# KiCad board iMX6_BareBones.kicad_pcb (continued)
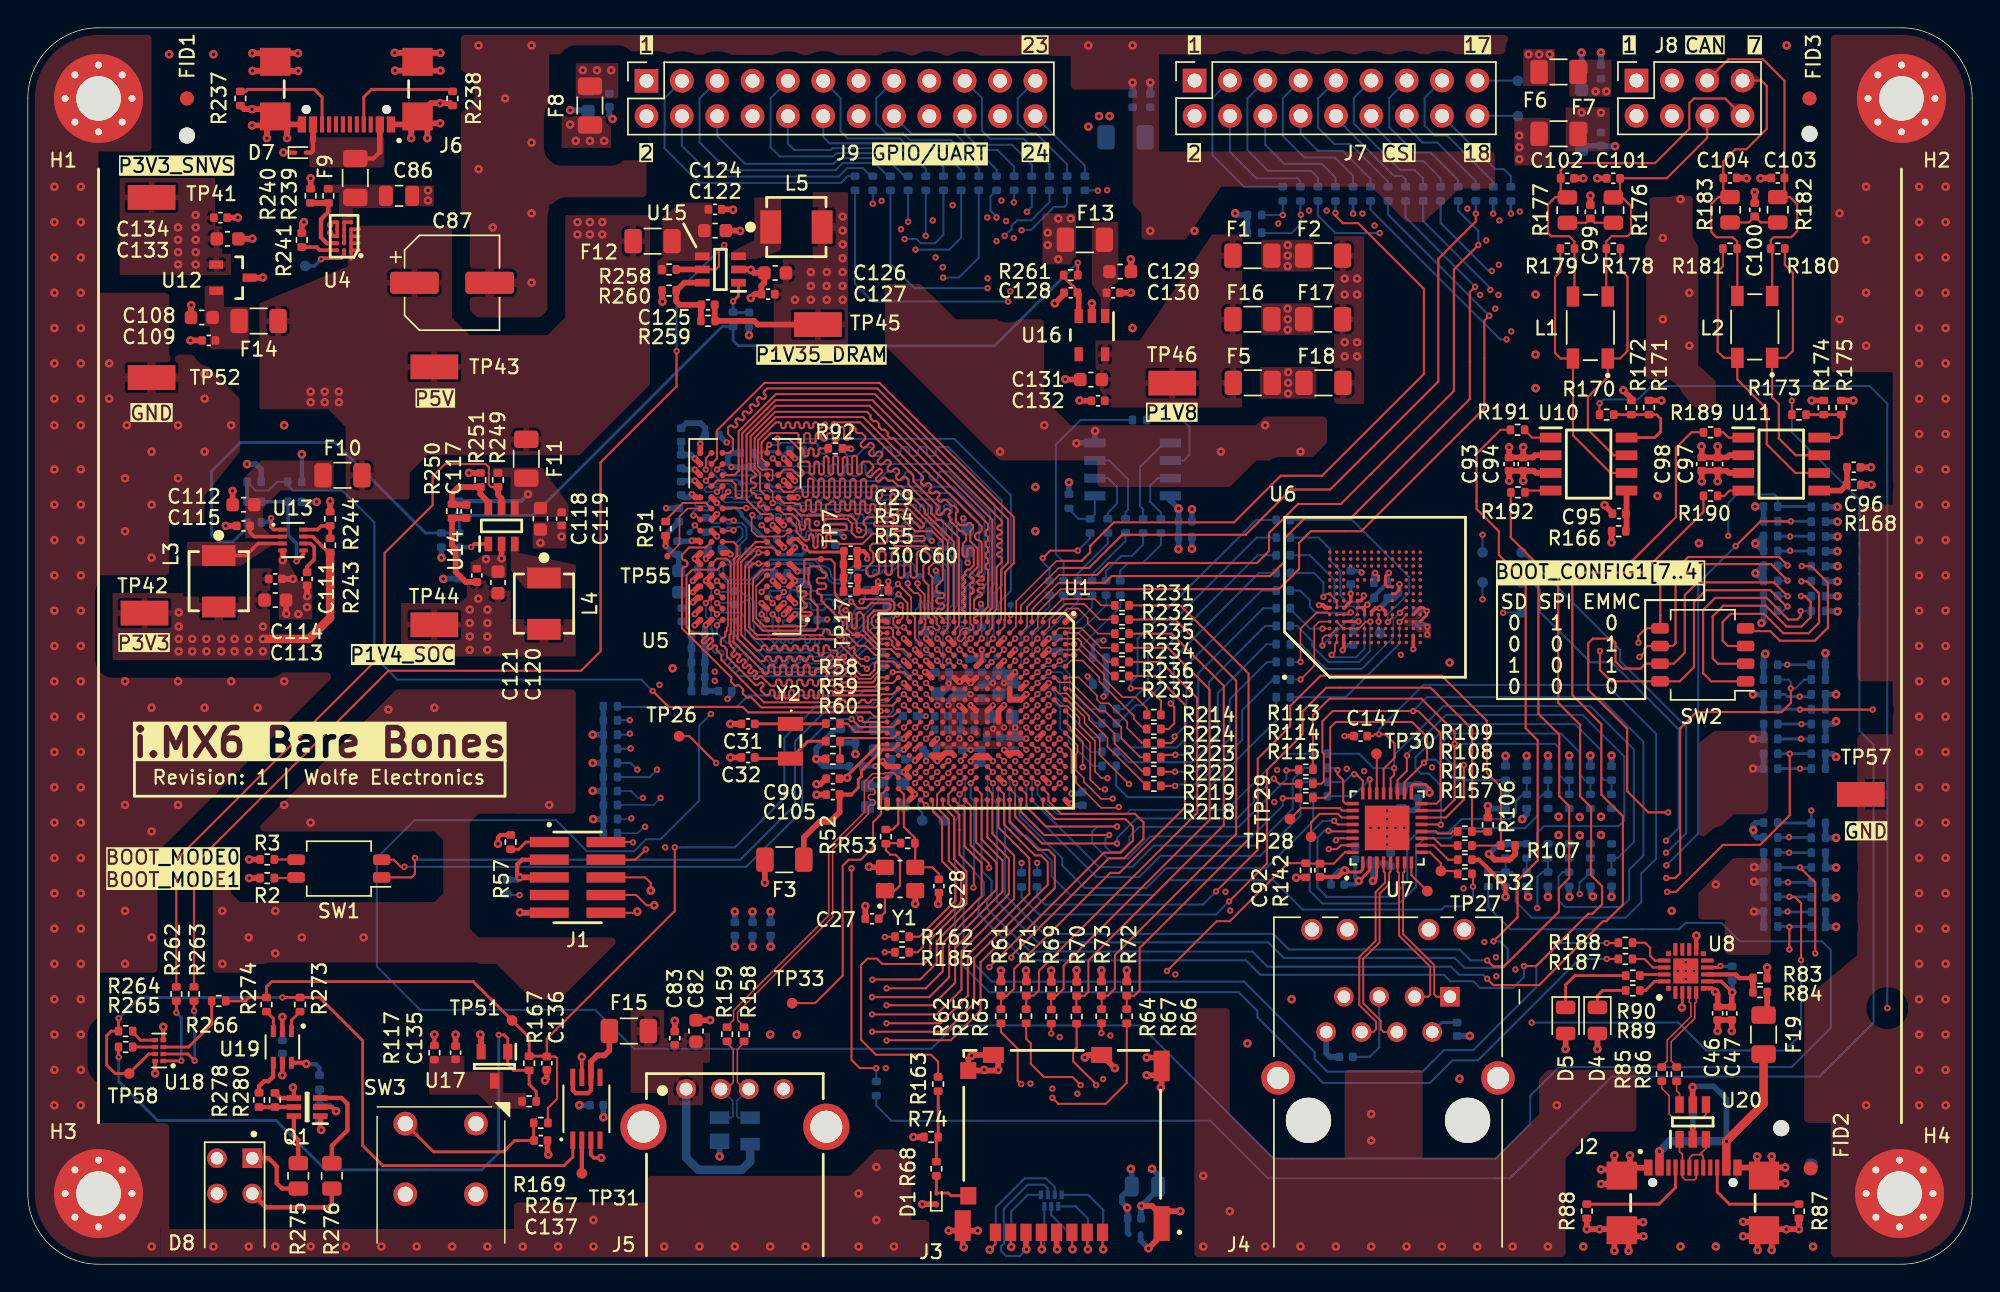
[diagram p0: board, top side]
## Nets (continued)
/Signal_Map/Headers/IMX6_UART2_TX_DATA_R: J9.4 R196.1
/Signal_Map/Headers/IMX6_UART3_RX_DATA_R: J9.9 R197.1
/Signal_Map/Headers/IMX6_UART3_TX_DATA_R: J9.11 R198.1
/Signal_Map/Headers/IMX6_UART4_RX_DATA_R: J9.10 R199.1
/Signal_Map/Headers/IMX6_UART4_TX_DATA_R: J9.12 R200.1
/Signal_Map/Headers/IMX6_UART5_RX_DATA_R: J9.15 R201.1
/Signal_Map/Headers/IMX6_UART5_TX_DATA_R: J9.16 R202.1
/Signal_Map/Headers/~{IMX6_UART1_CTS_R}: J9.3 R193.1
/Signal_Map/Headers/~{IMX6_UART1_RTS_R}: J9.5 R194.1
/Signal_Map/iMX6_Control/IMX6_XTALO_R: C27.1 R52.1 R53.1 Y1.1
/Signal_Map/iMX6_Control/JTAG_MOD: R56.2 U1.P15
/Signal_Map/iMX6_Control/ONOFF: R282.2 U1.R8
/Signal_Map/iMX6_Control/RTC_XTALI: R59.2 R60.2 U1.T11
/Signal_Map/iMX6_Control/RTC_XTALI_R: C32.1 R59.1 Y2.2
/Signal_Map/iMX6_Control/RTC_XTALO: R58.2 U1.U11
/Signal_Map/iMX6_Control/RTC_XTALO_R: C31.1 R58.1 Y2.1
/Signal_Map/iMX6_Control/SNVS_TAMPER0: R94.2 U1.R10
/Signal_Map/iMX6_Control/SNVS_TAMPER1: R95.2 U1.R9
/Signal_Map/iMX6_Control/SNVS_TAMPER2: R96.2 U1.P11
/Signal_Map/iMX6_Control/SNVS_TAMPER3: R97.2 U1.P10
/Signal_Map/iMX6_Control/SNVS_TAMPER4: R98.2 U1.P9
/Signal_Map/iMX6_Control/SNVS_TAMPER5: R99.2 U1.N8
/Signal_Map/iMX6_Control/SNVS_TAMPER6: R100.2 U1.N11
/Signal_Map/iMX6_Control/SNVS_TAMPER7: R101.2 U1.N10
/Signal_Map/iMX6_Control/SNVS_TAMPER8: R102.2 U1.N9
/Signal_Map/iMX6_Control/SNVS_TAMPER9: R103.2 U1.R6
/Signal_Map/iMX6_Control/TEST_MODE: R104.2 U1.N7
/Signal_Map/iMX6_Control/XTALI: C28.1 R53.2 U1.T16 Y1.3
/Signal_Map/iMX6_Control/XTALO: R52.2 U1.T17
/Signal_Map/iMX6_Control/~{PB_POR}: C137.2 R267.1 SW3.3
/Signal_Map/iMX6_CSI_LCD/CSI_DATA00: R149.1 U1.E4
/Signal_Map/iMX6_CSI_LCD/CSI_DATA01: R150.1 U1.E3
/Signal_Map/iMX6_CSI_LCD/CSI_DATA02: R151.1 U1.E2
/Signal_Map/iMX6_CSI_LCD/CSI_DATA03: R152.1 U1.E1
/Signal_Map/iMX6_CSI_LCD/CSI_DATA04: R153.1 U1.D4
/Signal_Map/iMX6_CSI_LCD/CSI_DATA05: R154.1 U1.D3
/Signal_Map/iMX6_CSI_LCD/CSI_DATA06: R155.1 U1.D2
/Signal_Map/iMX6_CSI_LCD/CSI_DATA07: R156.1 U1.D1
/Signal_Map/iMX6_CSI_LCD/CSI_HSYNC: R148.1 U1.F3
/Signal_Map/iMX6_CSI_LCD/CSI_MCLK: R145.1 U1.F5
/Signal_Map/iMX6_CSI_LCD/CSI_PIXCLK: R146.1 U1.E5
/Signal_Map/iMX6_CSI_LCD/CSI_VSYNC: R147.1 U1.F2
/Signal_Map/iMX6_DDR3L/DRAM_CKE0: R281.1 U1.M3 U5.K9
/Signal_Map/iMX6_DDR3L/DRAM_CKE1: R256.1 U1.J3
/Signal_Map/iMX6_DDR3L/DRAM_ZQPAD: R1.1 U1.N4
/Signal_Map/iMX6_Ethernet_USB/USB1_R_DN: R159.1 U1.T15
/Signal_Map/iMX6_Ethernet_USB/USB1_R_DP: R158.1 U1.U15
/Signal_Map/iMX6_GPIO_UART/IMX6_FLEXCAN1_RX: R192.2 U1.G14
/Signal_Map/iMX6_GPIO_UART/IMX6_FLEXCAN1_TX: R191.2 U1.H15
/Signal_Map/iMX6_GPIO_UART/IMX6_FLEXCAN2_RX: R190.2 U1.H14
/Signal_Map/iMX6_GPIO_UART/IMX6_FLEXCAN2_TX: R189.2 U1.J15
/Signal_Map/iMX6_GPIO_UART/IMX6_GPIO_0: R143.1 U1.K13
/Signal_Map/iMX6_GPIO_UART/IMX6_GPIO_1: R144.1 U1.L15
/Signal_Map/iMX6_GPIO_UART/IMX6_GPIO_2: R160.1 U1.L14
/Signal_Map/iMX6_GPIO_UART/IMX6_GPIO_3: R161.1 U1.L17
/Signal_Map/iMX6_GPIO_UART/IMX6_GPIO_4: R162.1 U1.M16
/Signal_Map/iMX6_GPIO_UART/IMX6_GPIO_5: R163.1 U1.M17
/Signal_Map/iMX6_GPIO_UART/IMX6_GPIO_6: R164.1 U1.K17
/Signal_Map/iMX6_GPIO_UART/IMX6_GPIO_7: R184.1 U1.L16
/Signal_Map/iMX6_GPIO_UART/IMX6_GPIO_8: R185.1 U1.N17
/Signal_Map/iMX6_GPIO_UART/IMX6_GPIO_9: R186.1 U1.M15
/Signal_Map/iMX6_GPIO_UART/IMX6_UART1_RX_DATA: R187.2 U1.K16
/Signal_Map/iMX6_GPIO_UART/IMX6_UART1_TX_DATA: R188.2 U1.K14
/Signal_Map/iMX6_GPIO_UART/IMX6_UART2_RX_DATA: R195.2 U1.J16
/Signal_Map/iMX6_GPIO_UART/IMX6_UART2_TX_DATA: R196.2 U1.J17
/Signal_Map/iMX6_GPIO_UART/IMX6_UART3_RX_DATA: R197.2 U1.H16
/Signal_Map/iMX6_GPIO_UART/IMX6_UART3_TX_DATA: R198.2 U1.H17
/Signal_Map/iMX6_GPIO_UART/IMX6_UART4_RX_DATA: R199.2 U1.G16
/Signal_Map/iMX6_GPIO_UART/IMX6_UART4_TX_DATA: R200.2 U1.G17
/Signal_Map/iMX6_GPIO_UART/IMX6_UART5_RX_DATA: R201.2 U1.G13
/Signal_Map/iMX6_GPIO_UART/IMX6_UART5_TX_DATA: R202.2 U1.F17
/Signal_Map/iMX6_GPIO_UART/~{IMX6_UART1_CTS}: R193.2 U1.K15
/Signal_Map/iMX6_GPIO_UART/~{IMX6_UART1_RTS}: R194.2 U1.J14
/Signal_Map/iMX6_GPIO_UART/~{SD_PRESN}: R68.2 R74.1 R163.2
/Signal_Map/iMX6_Power/NVCC_PLL: C20.1 C24.1 U1.P13
/Signal_Map/iMX6_Storage/IMX6_NAND_ALE: R214.1 U1.B4
/Signal_Map/iMX6_Storage/IMX6_NAND_CLE: R227.1 U1.A4
/Signal_Map/iMX6_Storage/IMX6_NAND_DATA00: R217.1 U1.D7
/Signal_Map/iMX6_Storage/IMX6_NAND_DATA01: R218.1 U1.B7
/Signal_Map/iMX6_Storage/IMX6_NAND_DATA02: R219.1 U1.A7
/Signal_Map/iMX6_Storage/IMX6_NAND_DATA03: R220.1 U1.D6
/Signal_Map/iMX6_Storage/IMX6_NAND_DATA04: R221.1 U1.C6
/Signal_Map/iMX6_Storage/IMX6_NAND_DATA05: R222.1 U1.B6
/Signal_Map/iMX6_Storage/IMX6_NAND_DATA06: R223.1 U1.A6
/Signal_Map/iMX6_Storage/IMX6_NAND_DATA07: R224.1 U1.A5
/Signal_Map/iMX6_Storage/IMX6_NAND_DQS: R230.1 U1.E6
/Signal_Map/iMX6_Storage/QSPI_IO0_R: R81.1 R229.2
/Signal_Map/iMX6_Storage/QSPI_IO1_R: R77.2 R225.2
/Signal_Map/iMX6_Storage/QSPI_IO2_R: R78.2 R226.2
/Signal_Map/iMX6_Storage/QSPI_IO3_R: R79.1 R227.2
/Signal_Map/iMX6_Storage/QSPI_SCK_R: R80.1 R228.2
/Signal_Map/iMX6_Storage/SD1_CLK: R231.1 U1.C1
/Signal_Map/iMX6_Storage/SD1_CLK_R: R66.2 R72.1 R231.2
/Signal_Map/iMX6_Storage/SD1_CMD: R232.1 U1.C2
/Signal_Map/iMX6_Storage/SD1_CMD_R: R67.2 R73.1 R232.2
/Signal_Map/iMX6_Storage/SD1_DATA0: R233.1 U1.B3
/Signal_Map/iMX6_Storage/SD1_DATA0_R: R61.1 R62.2 R233.2
/Signal_Map/iMX6_Storage/SD1_DATA1: R234.1 U1.B2
/Signal_Map/iMX6_Storage/SD1_DATA1_R: R63.2 R69.1 R234.2
/Signal_Map/iMX6_Storage/SD1_DATA2: R235.1 U1.B1
/Signal_Map/iMX6_Storage/SD1_DATA2_R: R64.2 R70.1 R235.2
/Signal_Map/iMX6_Storage/SD1_DATA3: R236.1 U1.A2
/Signal_Map/iMX6_Storage/SD1_DATA3_R: R65.2 R71.1 R236.2
/Signal_Map/iMX6_Storage/~{IMX6_NAND_CE0}: R225.1 U1.C5
/Signal_Map/iMX6_Storage/~{IMX6_NAND_CE1}: R226.1 U1.B5
/Signal_Map/iMX6_Storage/~{IMX6_NAND_READY}: R229.1 U1.A3
/Signal_Map/iMX6_Storage/~{IMX6_NAND_RE}: R216.1 U1.D8
/Signal_Map/iMX6_Storage/~{IMX6_NAND_WE}: R215.1 U1.C8
/Signal_Map/iMX6_Storage/~{IMX6_NAND_WP}: R228.1 U1.D5
/Signal_Map/iMX6_Storage/~{QSPI_CS_R}: R76.2 R230.2
/Signal_Map/Power2/AND_PG_R: R264.2 U18.5
/Signal_Map/Power2/PGD_BUF: R277.1 U19.6
/Signal_Map/Power2/SUP_RESET: R167.2 R169.2 R265.1 U17.1
/Signal_Map/Power2/~{IMX6_POR_R}: R266.1 U18.3
/Signal_Map/Power2/~{IMX6_POR}: C136.2 R167.1 R266.2 R267.2 R274.2 TP51.1 U1.P8
/Signal_Map/Power2/~{POR_BUF}: R278.1 U19.4
/Signal_Map/Power2/~{SUP_RESET_R}: R265.2 U18.6
/Signal_Map/Power/PMIC_ON_REQ: R245.2 R246.1 R247.2 U1.T9
/Signal_Map/Power/USB_PWR_CC1: J6.A5 R238.2
/Signal_Map/Power/USB_PWR_CC2: J6.B5 R237.2
/Signal_Map/Power/~{VBUS_EN}: R241.2 U4.A3
/Signal_Map/uSD_QSPI/QSPI_IO0: R81.2 U3.5
/Signal_Map/uSD_QSPI/QSPI_IO1: R77.1 U3.2
/Signal_Map/uSD_QSPI/QSPI_IO2: R78.1 U3.3
/Signal_Map/uSD_QSPI/QSPI_IO3: R79.2 U3.7
/Signal_Map/uSD_QSPI/QSPI_SCK: R80.2 U3.6
/Signal_Map/uSD_QSPI/uSD_CLK: J3.P5 R66.1 U2.7
/Signal_Map/uSD_QSPI/uSD_CMD: J3.P3 R67.1 U2.6
/Signal_Map/uSD_QSPI/uSD_DAT0: J3.P7 R62.1 U2.1
/Signal_Map/uSD_QSPI/uSD_DAT1: J3.P8 R63.1 U2.3
/Signal_Map/uSD_QSPI/uSD_DAT2: J3.P1 R64.1 U2.4
/Signal_Map/uSD_QSPI/uSD_DAT3: J3.P2 R65.1 U2.5
/Signal_Map/uSD_QSPI/uSD_SWITCH: D1.2 J3.SW R68.1
/Signal_Map/uSD_QSPI/~{QSPI_CS}: R75.1 R76.1 U3.1
CAN1_VIO: C95.1 R166.2 U10.5
CAN2_VIO: C96.1 R168.2 U11.5
DRAM_VREF: C29.2 C30.1 C48.2 C49.2 C149.2 R54.2 R55.1 U1.P4 U5.H1 U5.M8
NVCC_CSI: C89.2 F1.1 F2.1 U1.F4
NVCC_NAND: C45.2 F16.1 F17.1 U1.E7
Net-(C99-Pad1): C99.1 R176.1 R177.2
Net-(C100-Pad1): C100.1 R182.1 R183.2
Net-(D8-K1): D8.1 R275.1
Net-(D8-K2): D8.3 R276.1
Net-(J1-Pad01): J1.01 R57.2
Net-(Q1A-B1): Q1.2 R277.2 R279.1
Net-(Q1A-C1): Q1.6 R275.2
Net-(Q1B-B2): Q1.5 R278.2 R280.1
Net-(Q1B-C2): Q1.3 R276.2
Net-(R2-Pad2): R2.2 SW1.4
Net-(R3-Pad2): R3.2 SW1.3
Net-(R4-Pad2): R4.2 SW2.1
Net-(R5-Pad2): R5.2 SW2.2
Net-(R6-Pad2): R6.2 SW2.3
Net-(R7-Pad2): R7.2 SW2.4
Net-(TP48-Pad1): TP48.1 U5.J1
Net-(TP53-Pad1): TP53.1 U5.J9
Net-(TP54-Pad1): TP54.1 U5.L1
Net-(TP55-Pad1): TP55.1 U5.L9
Net-(TP56-Pad1): TP56.1 U5.M7
Net-(U1B-DRAM_ADDR15): TP49.1 U1.K5
Net-(U1B-DRAM_CS1_B): TP50.1 U1.H5
Net-(U1B-DRAM_ODT1): TP47.1 U1.F1
Net-(U1C-CCM_CLK1_N): TP2.1 U1.P16
Net-(U1C-CCM_CLK1_P): TP1.1 U1.P17
Net-(U1C-CCM_PMIC_STBY_REQ): TP26.1 U1.U9
Net-(U1J-USB_OTG1_CHD_B): TP33.1 U1.U16
Net-(U1K-LCD_CLK): TP35.1 U1.A8
Net-(U1K-LCD_ENABLE): TP36.1 U1.B8
Net-(U1K-LCD_HSYNC): TP37.1 U1.D9
Net-(U1K-LCD_RESET): TP38.1 U1.E9
Net-(U1K-LCD_VSYNC): TP39.1 U1.C9
Net-(U6A-DATA_STROBE): TP34.1 U6.H5
Net-(U7-TXC): TP30.1 U7.22
Net-(U7-TXD2): TP29.1 U7.26
Net-(U7-TXD3): TP28.1 U7.27
Net-(U7-XO): TP27.1 U7.8
Net-(U9-FLG): TP31.1 U9.2
Net-(U18A-1A): R262.2 U18.1
Net-(U18A-1B): R263.2 U18.2
Net-(U19-1A): R273.1 U19.1
Net-(U19-2A): R274.1 U19.3

Pads without a net: J1 07; J2 A8 B8; J4 7; J6 A6 A7 A8 B6 B7 B8; SW3 2 4; U1 A15 A16 B15 B17 D16 D17 R13 T13 U13; U6 A1 A7 A9 A10 A11 A12 A13 A14 B8 B9 B10 B11 B12 B13 B14 C7 C8 C9 C10 C11 C12 C13 C14 D1 D2 D12 D13 D14 E1 E2 E5 E8 E9 E10 E12 E13 E14 F1 F2 F3 F10 F12 F13 F14 G1 G2 G3 G10 G12 G13 G14 H1 H2 H3 H12 H13 H14 J1 J2 J3 J12 J13 J14 K1 K2 K3 K6 K7 K10 K12 K13 K14 L1 L2 L3 L12 L13 L14 M1 M2 M3 M7 M8 M9 M10 M11 M12 M13 M14 N3 N6 N7 N8 N9 N10 N11 N12 N13 N14 P1 P2 P7 P8 P9 P10 P11 P12 P13 P14; U8 1 2 10 11 13 14 15 16; U9 4 5; U16 4

## Via types
v1: diameter 0.457, hole 0.203, Top to Bottom, 537 vias
v2: diameter 0.61, hole 0.254, Top to Bottom, 608 vias
v3: diameter 0.406, hole 0.203, Top to Bottom, 8 vias
v4: diameter 0.356, hole 0.152, Top to Bottom, 2 vias

## Routing (per net, layer and track width the routed paths; a pad name or vN(x,y) marks a point on that pad's centre or on a via; arc(x,y) is an arc through that point)
/Signal_Map/iMX6_Ethernet_USB/VDD_USB_CAP: length 2.8
  Top w0.406: U1.R12 v1(62.94,36.99)
  Bottom w0.406: v1(62.94,36.99) 62.4,36.99 C106.2 61.17,37.22 C107.2
/Signal_Map/iMX6_Power/VDD_ARM_CAP: length 1.5
  Top w0.406: U1.G10 U1.G9 v1(70.14,40.19)
  Bottom w0.406: C21.1 69.92,40.97
  vias: v1(69.35,38.51) v1(70.14,38.59)
/Signal_Map/iMX6_Power/VDD_HIGH_CAP: length 5.7
  Top w0.406: U1.N6 64.92,42.19 64.52,42.59 v1(64.47,42.59) ; U1.R14 v1(62.94,35.39) U1.R15
  In3.Cu w0.406: v1(62.94,35.39) 62.95,35.39
  Bottom w0.406: C148.1 64.5,42.56 v1(64.47,42.59) ; C26.1 61.31,34.42 C23.1 61.53,34.78 62.13,35.39 v1(62.94,35.39)
/Signal_Map/iMX6_Power/VDD_SNVS_CAP: length 1.4
  Top w0.406: U1.N12 v3(65.34,37.79)
  Bottom w0.406: v3(65.34,37.79) 65.21,37.65 65.21,36.99
/Signal_Map/iMX6_Power/VDD_SOC_CAP: length 5.1
  In2.Cu w0.203: 66.1,40.19 66.17,40.12 66.17,39.75 65.91,39.5 64.65,39.5 64.56,39.41 v3(64.52,39.41)
  In2.Cu w0.254: v1(66.14,40.19) 66.1,40.19
  Bottom w0.406: v1(67.74,40.99) 67.72,41.01 C25.1 ; C25.1 66.92,40.99 ; C25.1 66.63,41.01 66.14,40.52 v1(66.14,40.19) ; v3(64.52,39.41) C16.1
  vias: v1(66.14,37.79)
/Signal_Map/Power2/P1V4_EN: length 3.5
  Top w0.254: v1(31.85,51.56) 32.08,51.79 U14.1
  Bottom w0.254: v1(31.85,51.56) 30.99,51.56 R254.1 C116.2
/Signal_Map/Power2/P1V4_FB: length 5.7
  Top w0.254: 30.55,54.61 30.48,54.68
  Top w0.406: 30.48,54.68 30.48,55.42 30.94,55.88 R251.2 32.51,55.37 33.09,54.8 U14.6 ; C117.1 30.55,54.61
/Signal_Map/Power2/P1V4_PG: length 52.4
  Top w0.152: R249.1 33.3,55.88 33.12,56.06 33.12,57.3 32.89,57.53 29.97,57.53 29.08,56.64 29.08,54.58 25.63,51.13 25.63,44.04 10.67,29.08 R262.1
  Top w0.406: R249.1 33.78,55.32 34.04,55.07 U14.5
/Signal_Map/Power2/P1V8_EN: length 3.4
  Top w0.203: C128.2 75.41,70 74.42,71 R261.1
  Top w0.406: U16.3 75.5,69.76 C128.2
/Signal_Map/Power2/P1V35_EN: length 3.4
  Top w0.203: v1(50.67,69.23) 50.67,69.24 51.06,69.63 U15.1
  Bottom w0.203: C123.2 50.7,68.42 R257.1 v1(50.67,69.23)
/Signal_Map/Power2/P1V35_FB: length 6
  Top w0.406: U15.6 47.16,70.58 R260.2 46.59,69.24 46.84,68.99 C125.1 48.36,68.96 R259.1
/Signal_Map/Power2/P1V35_PG: length 82.1
  Top w0.152: U15.5 49.43,71.53 49.66,71.75 49.66,72.9 v1(50.04,73.28) ; v1(46.61,65.66) 46.61,63.12 41.15,57.66 41.15,44.07 39.75,42.67 25.91,42.67 11.94,28.7 R263.1
  Top w0.406: U15.5 R258.1
  Bottom w0.152: v1(46.61,65.66) 46.61,69.85 v1(50.04,73.28)
/Signal_Map/Power/P3V3_EN: length 7.4
  Top w0.254: v1(19.3,50.55) 19.8,51.04 U13.5
  Bottom w0.254: v1(19.3,50.55) 19.3,51.82 18.7,52.42 C110.2 R245.1
/Signal_Map/Power/P3V3_FB: length 2.9
  Top w0.254: U13.8 20.82,52.82 21.08,53.08 R244.2 R243.1
/Signal_Map/Power/P3V3_PG_R: length 2.4
  Top w0.254: U13.1 17.66,52.82 17.48,53.01 v1(17.48,53.64)
  Bottom w0.254: v1(17.48,53.64) 17.17,53.34 R248.1
/Signal_Map/Power/P3V3_PGD: length 85.3
  Top w0.203: R261.2 75.44,71.12 v1(75.44,72.01)
  Bottom w0.203: v1(75.44,72.01) 69.47,66.04 51.05,66.04 50.67,66.42 R257.2 49.91,67.44 36.32,53.85 R252.1 R254.2 R253.2 28.57,52.58 22.07,59.08 15.27,59.08 13.21,57.02 13.21,52.45 13.72,51.94 14.73,51.94 15.75,52.96 R248.2
/Signal_Map/Power/P3V3_SS: length 2.9
  Top w0.254: U13.6 20.32,51.82 20.57,51.56 20.57,50.67 20.07,50.17 C111.2
/Signal_Map/Power/P3V3_SW: length 4.9
  Top w0.254: U13.3 16.54,51.82 15.67,50.95 L3.1
/Signal_Map/Power/VBUS_ACK: length 3.5
  Top w0.254: U4.A2 22.72,72.56 22.5,72.34 21.16,72.34 v1(21.08,72.26)
  Bottom w0.254: v1(21.08,72.26) 20.6,71.78 TP40.1
/Signal_Map/Power/VBUS_OVLO: length 5.3
  Top w0.305: 22.22,73.41 21.48,73.41 21.06,73.84 21.06,75.13 21.59,75.67 21.59,76.31
  Top w0.406: 20.32,76.31 21.59,76.31
GND: length 400.7
  Top w0.152: 95.54,47.76 95.54,47.71
  Top w0.203: 68.51,43.36 68.54,43.39 v1(68.54,44.19) ; U8.3 118.88,18.48 v2(118.85,18.45) 118.81,18.49 118.67,18.49 ; 95.54,47.71 U6.E7 ; U6.C4 95.47,46.2 95.5,46.23 95.54,46.23 95.55,46.22 v1(95.61,46.22) ; U6.P4 100.51,46.67 v1(100.51,46.96) 100.27,47.2 U6.P6 U6.N5 ; U6.K8 98.05,48.21 98.27,48.21 98.53,48.46 98.53,48.87 v1(98.55,48.89) ; U6.H10 97.04,49.46 v1(96.8,49.71) ; 63.31,33.42 U1.R17 63.31,33.35 ; v2(94.61,28.32) 94.74,28.19 95.72,28.19 95.91,28.39 U7.1 ; 63.31,34.15 U1.R16
  Top w0.254: v1(99.54,44.22) 99.54,44.22 U6.N2 ; v1(21.72,74.17) 21.97,73.91 U4.C3 U4.D3 U4.E3 21.9,74.91 v1(21.72,74.73) ; U9.3 40.46,7.85 40.67,7.65 v2(41.2,7.65) ; v1(95.99,48.08) 95.99,47.94 95.77,47.71 95.54,47.71 ; U6.J5 97.54,46.93 97.31,47.17 v1(97.13,47.17) 96.81,47.17 96.54,46.9 U6.G5
  Top w0.305: v2(35.33,27.81) 35.15,27.99 35.15,28.73 35.51,29.08 37.46,29.08 ; U19.2 v2(18.29,17.78) ; 17.75,12.32 18.12,11.95 Q1.4 19.12,12.63 v2(19.05,12.7) ; 92.84,27.84 94.14,27.84 v2(94.61,28.32) ; U6.A6 93.23,47.2 93.04,47.39 v1(92.76,47.39) ; v2(106.17,26.42) 106.17,27.18 104.27,29.08 R105.1 ; D7.1 18.37,79.93 v2(18.36,79.93) ; U18.4 9.73,17.06 v2(9.73,17.07) ; v2(119.89,23.62) 119.88,23.61 U8.12 ; v4(61.06,46.25) 61.68,46.25 U1.U1 ; C147.2 v1(94.61,37.97) ; v2(21.08,9.65) 21.02,9.72 Q1.1
  Top w0.406: v2(63.75,25.91) 63.76,25.91 Y1.2 ; J6.S2 17.14,81.88 v2(16.11,81.88) ; J6.S2 17.17,81.92 v2(17.17,80.97) ; J6.S2 18.35,81.95 J6.B1/A12 ; J6.S2 17.26,83.05 v2(16.11,83.05) 15.53,83.05 R237.1 ; J6.S2 18.62,81.68 v2(18.62,80.97) ; R88.1 v2(112.01,2.51) 114.45,2.51 J2.S3 ; J6.S1 28.49,82.04 v2(29.62,82.04) ; J6.S1 28.71,81.82 v2(28.71,80.97) ; J6.S1 27.42,81.95 J6.A1/B12 ; J6.S1 27.54,82.07 v2(27.54,80.97) ; J6.S1 28.96,83.48 v2(29.62,83.48) 30.34,83.48 R238.1 ; C129.2 79.25,71.39 v2(79.25,72.26) ; U5.B9 v1(47.92,46.74) ; R60.1 56.65,36.33 v2(56.64,36.32) ; U14.2 v2(34.04,50.75) ; R92.2 59.11,58.66 v1(59.16,58.61) ; v2(128.17,62.1) 128.17,62.11 R175.1 ; C134.2 15.08,75.25 v2(15.09,75.26) ; J6.S4 18.39,87.07 v2(19.41,87.07) ; J6.S4 17.16,87.07 v2(16.13,87.07) ; J6.S4 17.12,85.8 v2(16.15,85.8) ; J6.S4 18.44,85.8 v2(19.42,85.8) ; U1.G5 v1(70.14,43.39) ; U1.C3 v1(73.34,44.99) ; J2.S2 124.26,6.86 v2(124.26,7.75) ; J2.S2 125.3,6.93 v2(125.3,7.75) ; J2.S2 125.33,6.96 v2(126.26,6.96) ; J2.S2 125.3,5.82 v2(126.26,5.82) ; J2.S2 124.17,6.95 J2.B1/A12 ; C94.2 C93.2 v2(106.43,58.73) ; C94.2 v2(107.44,58.75) ; C94.2 108.13,58.01 108.28,58.17 U10.2 ; C97.2 v2(121.41,58.8) ; 131.39,34.09 TP57.1 ; TP57.1 131.24,33.32 ; TP57.1 131.09,33.78 ; TP57.1 131.39,33.48 ; TP57.1 131.78,33.86 ; C135.1 v2(30.73,16.51) ; U5.E8 v1(48.72,49.14) U5.D8 ; J6.S3 27.37,85.82 v2(26.38,85.82) ; J6.S3 27.36,87.1 v2(26.37,87.1) ; J6.S3 28.64,85.82 v2(29.66,85.82) ; J6.S3 28.64,87.09 v2(29.64,87.09) ; J2.S4 124.14,3.05 v2(123.24,3.05) ; J2.S4 124.28,1.98 v2(124.28,1.02) ; J2.S4 124.31,2.01 v2(123.24,2.01) ; J2.S4 124.82,2.51 v2(126.34,2.51) v2(127.25,2.51) R87.1 ; J2.S4 125.3,1.89 v2(125.3,1.02) ; J3.P6 71.72,1.1 v2(71.75,1.07) ; v2(64.26,4.32) 65.24,4.32 D1.1 ; C136.1 37.29,13.33 v2(37.16,13.21) ; v2(18.31,50.62) 18.31,51.27 18.3,51.27 ; C99.2 v2(112.27,76.84) ; R241.1 19.68,74.78 v2(19.84,74.93) ; 32.92,50.67 v2(32.92,50.7) 32.97,50.75 ; J2.S3 114,1.91 v2(114,0.97) ; J2.S3 115.01,1.96 v2(115.01,0.97) ; J2.S3 114.96,2.01 v2(116.08,2.01) ; J2.S3 115.1,3.02 v2(116.05,3.02) ; U5.B1 v1(54.32,46.74) ; v2(51.94,69.47) 52.22,69.75 C127.2 52.71,70.36 52.7,70.36 52.92,70.57 C126.2 52.17,71.27 v2(51.94,71.5) 51.92,71.53 U15.2 ; v2(32.51,16.51) 32.57,16.45 U17.2 ; 81.46,2.92 81.46,3.23 82.04,3.81 v2(82.8,3.81) ; 81.46,2.92 81.46,2.09 v2(80.52,1.14) ; 81.46,2.92 81.46,3.5 80.77,4.19 v2(80.01,4.19) ; 81.46,2.92 81.28,2.92 ; v2(122.43,16.76) C47.1 C46.1 v2(121.41,16.76) ; v1(70.94,42.57) 70.56,42.19 U1.F6 ; C95.2 113.85,54.02 v2(113.28,54.58) ; C96.2 v2(132.44,57.3) ; v2(74.55,63.63) 74.57,63.61 C131.2 ; C31.2 v2(50.48,38.85) ; v2(78.1,14.1) J3.G4 76.13,15.05 v2(75.95,14.86) ; v2(120.25,58.8) 120.27,58.78 C98.2 ; J3.G1 67.16,2.77 66.8,2.41 v2(66.17,2.41) ; J3.G1 67.21,2.77 67.56,2.41 v2(68.25,2.41) ; J3.G1 67.17,1.3 v2(67.25,1.23) ; U1.F7 U1.F8 U1.E8 v1(71.74,40.99) ; 37.46,25.27 35.38,25.27 v2(35.36,25.3) ; v2(49.02,17.55) 49.01,17.54 C82.1 ; U12.3 16.88,70.93 v2(16.89,70.94) ; U1.R17 v1(63.74,33.79) U1.R16 ; v2(56.67,33.76) 56.68,33.77 C90.1 ; R240.1 v2(20.32,78.08) ; Y1.4 60.49,28.54 v2(60.45,28.58) ; J2.A1/B12 116.42,6.93 115.09,6.93 J2.S1 ; U1.R7 v1(62.94,41.79) ; U5.D1 v1(55.12,49.14) U5.E1 ; U5.A9 v1(47.92,45.94) ; v1(61.09,49.09) 61.09,48.68 C60.1 60.79,48.37 C30.2 59.62,48.43 R55.2 ; v2(114.63,62.84) 115.21,62.26 R171.1 ; C104.2 123.47,78.1 v2(123.49,78.08) ; U5.E2 v1(54.32,49.14) ; v2(65.41,25.91) 65.46,25.97 C28.2 ; 120.4,58.01 122.1,58.01 122.25,58.17 U11.2 ; U1.A17 74.81,33.12 v1(74.98,33.12) ; 74.54,46.17 U1.A1 75.01,46.66 v1(75.18,46.66) ; v1(72.54,37.79) U1.C11 ; C115.2 v2(14.22,53.09) ; U5.M9 47.96,55.14 v1(47.71,55.38) ; U1.T14 U1.U14 61.41,36.12 v1(61.41,36.17) ; J2.S1 114,6.9 v2(114,7.82) ; J2.S1 113.92,5.77 v2(113.03,5.77) ; J2.S1 114.09,6.81 v2(113.03,6.81) ; J2.S1 115.11,6.96 v2(115.11,7.82) ; C109.2 v2(11.68,66.42) ; C108.2 11.73,68.92 11.73,68.92 v2(11.73,68.96) ; R244.1 v2(21.72,54.86) ; v2(80.39,13.59) 81.15,13.59 81.46,13.9 81.46,14.25 ; v2(56.67,34.52) 56.95,34.52 57.34,34.91 C105.1 ; U1.G3 v1(70.14,44.99) ; U1.R3 v1(62.94,44.99) ; 81.46,14.25 81.46,12.75 v2(81.41,12.7) ; 81.46,14.25 81.46,14.55 81.15,14.86 v2(80.39,14.86) ; U1.L3 v1(66.14,44.99) ; R91.2 v1(45.83,51.65) ; R83.1 124.97,21.33 v2(124.97,21.34) ; U1.U17 61.74,32.82 v1(61.75,32.82) ; v1(119.62,9.86) 119.62,9.85 U20.2 ; U16.2 v2(76.45,69.09) ; C100.2 v2(124.08,77.09) ; C111.1 v2(20.07,48.03) ; v2(111.76,78.08) 111.76,78.08 C102.2 ; v2(112.75,78.08) 112.75,78.08 C101.2 ; C112.2 14.71,54.62 v2(14.71,55.6) ; v1(55.12,51.54) U5.G1 ; U5.G9 v1(47.92,50.74) U5.F9 ; U5.M1 v1(55.3,55.14) ; C27.2 60.18,25.75 v2(60.17,25.76) ; U5.J2 v1(53.52,53.14) ; v2(51.18,74.3) 51.16,74.32 C122.2 ; v2(50.67,75.82) 50.65,75.84 C124.2 ; U1.J5 68.51,43.36 ; v2(45.59,69.22) 45.57,69.24 R260.1 ; U5.T1 v3(55.12,57.94) ; C137.1 37.34,7.93 v2(37.39,7.87) ; C83.1 v2(46.48,17.5) ; R251.1 31.7,56.9 v2(31.7,56.9) ; C133.2 16.12,73.73 v2(16.13,73.74) ; U1.G15 v1(70.14,34.59) ; C130.2 v2(79.25,69.85) ; U1.C7 v1(73.34,41.79) ; U1.R11 v1(62.94,37.79) ; C103.2 124.51,78.1 v2(124.49,78.08) ; v2(18.57,46.76) 18.55,46.77 C113.2 ; C114.2 v2(19.05,49.28) ; U5.P9 v1(47.92,57.14) ; v2(73.79,69.09) 74.45,69.75 C128.1 ; C32.2 v2(50.48,36.43) ; 37.46,27.81 v2(35.33,27.81) ; U1.N5 v1(64.54,43.39) ; C132.2 75.59,62.08 v2(75.56,62.1) ; U5.B3 v1(52.72,47.54) ; U5.T9 v1(48.32,58.99) ; U1.R5 v1(62.94,43.39) ; U5.G8 v1(48.72,50.74) ; U1.N3 v1(64.54,44.99) ; U5.J8 v1(49.52,52.34) ; U1.C15 v1(73.34,34.59) ; U5.P1 v1(55.12,56.34) ; 67.88,15.05 v2(67.82,14.99) 67.57,14.74 J3.G2 69.67,13.92 v2(69.72,13.97) 69.72,14.7 J3.G3 67.88,15.05
  Bottom w0.152: v2(71.75,1.07) 71.27,0.58 70.28,0.58 69.93,0.94 69.93,1.3 70.13,1.5 70.13,3.99 71.86,5.72 73.02,5.72 73.28,5.45 U2.2
  Bottom w0.254: C40.2 95.71,49.86 v1(95.83,49.73) ; C39.2 95.22,45.95 95.49,46.22 v1(95.61,46.22)
  Bottom w0.305: v3(55.12,57.94) 55.55,57.94 55.71,58.09 C52.1 ; v1(100.51,46.96) 100.48,46.99 C41.2 ; C10.2 C12.2 66.94,38.34 v1(66.94,37.79) ; v2(18.29,17.78) C146.1 ; R279.2 20.95,9.78 v2(21.08,9.65) ; C16.2 62.77,39.41 62.06,38.7 ; v2(94.61,28.32) 94.21,28.32 93.63,27.74 C79.2 ; C6.2 67.11,36.99 C33.2 ; 62.06,38.7 62.16,38.6 C106.1 ; 62.06,38.7 61.85,38.49
  Bottom w0.406: v2(106.17,36.55) R123.1 ; 124.31,51.64 124.71,52.04 R30.1 ; 124.31,51.64 v2(124.13,51.82) 124.66,52.35 R30.1 ; 124.31,51.64 124.66,51.28 R31.1 124.72,52.34 R30.1 ; v1(47.92,57.14) 47.05,57.14 C72.1 ; v2(75.34,59.03) 75.36,59.06 U3.4 76.66,59.9 v2(76.68,59.92) ; v2(110.74,36.58) R129.1 ; C1.2 67.25,53.1 67.25,53.59 v1(67.2,53.64) ; v2(80.52,1.14) 79.95,1.71 D2.1 ; v1(54.32,49.14) 54.32,49.5 54.51,49.69 ; R96.1 R100.1 ; R96.1 v2(40.61,32) ; R96.1 41.35,32.01 R103.1 ; C4.2 70.94,39.17 v1(70.94,38.59) 70.92,38.57 C88.1 ; C35.2 79.98,4.16 v2(80.01,4.19) 81.21,5.39 C36.2 81.21,6.42 v2(80.77,6.86) ; v2(109.22,36.58) R119.1 ; 71.05,41.66 70.93,41.79 v1(70.14,41.79) ; R139.1 107.7,26.52 v2(107.8,26.42) ; R256.2 68.51,47.46 v1(68.48,47.48) ; R29.1 124.72,54.48 R28.1 v2(124.1,54.48) ; v1(98.55,48.89) 98.55,48.23 98.22,47.9 C43.1 97.69,47.72 v1(97.13,47.17) ; R102.1 v2(40.59,38.07) ; R95.1 v2(40.59,36.04) ; v2(103.61,16.41) 103.6,16.41 C73.2 ; C68.1 54.79,51.86 v1(55.12,51.54) ; C9.2 57.18,35.79 v2(56.64,36.32) 56.64,37.08 58.01,38.45 C14.2 ; v2(107.7,36.55) R121.1 ; v1(48.72,49.14) 49.08,49.49 C70.1 ; R137.1 v2(109.22,26.42) ; 124.71,49.68 R32.1 124.66,50.22 v2(124.13,49.68) ; 124.71,49.68 R33.1 124.16,49.68 v2(124.13,49.68) ; 124.71,49.68 v2(124.13,49.68) ; R281.2 64.75,52.21 v1(64.95,52.01) ; C138.2 v2(79.38,84.96) ; 64.55,45.63 64.55,44.99 v1(64.54,44.99) ; C116.1 29.87,49.3 v2(29.84,49.28) ; v2(83.64,51.44) 83.64,51.44 C37.2 ; v1(70.14,41.79) 70.92,42.57 v1(70.94,42.57) ; v1(70.14,41.79) 70.14,42.16 C21.2 ; R46.1 R47.1 v2(124.03,28.55) ; v1(50.27,40.64) 50.58,40.94 C13.2 ; v1(73.34,44.99) 73.4,45.04 C44.1 ; v2(112.27,36.58) R127.1 ; v1(70.94,42.57) 70.94,41.75 C18.2 70.17,42.52 C21.2 ; v1(70.94,42.57) 69.83,42.57 C21.2 ; C21.2 69.34,42.08 v1(69.34,41.79) 69.34,41.79 68.77,41.79 68.54,41.56 ; C53.1 55.71,49.14 v1(55.12,49.14) ; v1(62.94,37.79) 62.56,37.79 C106.1 61.85,38.49 C107.1 ; C76.2 99.58,32.63 99.87,32.92 C75.2 ; v2(42.01,82.35) 41.78,82.58 C145.2 ; C142.2 111.93,80.42 C143.2 113.06,80.39 v2(114.05,80.39) ; R34.1 124.71,46.99 R35.1 124.71,46.18 124.64,46.1 v2(124.56,46.1) ; v2(83.64,54.28) 83.64,54.28 C38.2 ; v1(71.74,37.79) 71.04,37.79 C88.1 ; R247.1 16.77,57.15 16.38,57.53 v2(15.75,57.53) ; C149.1 65.31,49.79 v1(65.23,49.87) ; C51.2 46.77,50.95 C63.1 46.45,51.03 v1(45.83,51.65) 45.83,52.43 C49.1 ; v2(124.03,25.35) R50.1 R51.1 ; R49.1 R48.1 124.05,27.48 v2(124.03,27.51) ; v1(61.41,36.17) 61.93,36.17 C20.2 ; v1(68.54,44.19) 68.56,44.17 C2.2 C3.2 ; v1(48.32,58.99) 48.32,59.27 C64.1 48.68,60.13 48.32,60.48 47.32,60.48 C67.1 ; C88.1 70.9,37.88 C15.2 ; R135.1 110.74,26.44 v2(110.77,26.42) ; R39.1 124.71,39.91 R38.1 v2(123.95,40.97) ; C25.2 65.67,41.01 66.15,41.49 66.14,41.5 66.14,41.73 v1(66.17,41.76) 66.17,41.87 66.2,41.9 C148.2 ; v2(20.75,54.81) 20.74,54.82 C110.1 ; C89.1 77.47,41.68 C45.1 77.49,41.02 v1(77.29,40.82) ; R97.1 40.6,34.02 v2(40.59,34.04) ; R37.1 R36.1 124.71,43.76 v2(124.84,43.89) ; C85.1 v2(50.8,22.83) ; v1(58.63,52.3) 58.26,52.66 C48.1 ; R253.1 v2(29.72,50.8) ; J4.8 93.28,15.17 93.55,14.91 C74.2 ; C65.1 50.54,58.33 50.29,58.08 50.29,57.58 50.55,57.32 v1(50.55,57.31) C66.1 ; v2(112.45,26.44) 112.27,26.62 R133.1 ; C141.2 v2(113.03,87.12) ; v2(123.95,35.64) R43.1 R42.1 ; C150.1 119.63,9.87 v1(119.62,9.86) ; v1(70.14,44.99) 70.14,45.03 ; C91.1 75.11,33 v1(74.98,33.12) ; 64.25,36.99 64.37,36.99 64.55,36.82 64.55,36.18 v1(64.54,36.17) ; R44.1 124.16,31.75 123.98,31.57 v2(123.98,31.22) 123.98,30.91 124.21,30.68 R45.1 ; D6.1 49.7,7.75 v2(49.71,7.75) ; C140.2 v2(111.63,87.12) ; C81.1 41.35,10.57 v2(41.35,10.57) ; C84.1 v2(52.07,22.83) ; C58.1 57.41,46.34 v1(57.44,46.37) ; C11.2 C59.1 ; C123.1 v2(51.82,66.8) ; v1(47.71,55.38) 47.46,55.14 47.12,55.14 C62.1 ; v2(123.95,37.77) R41.1 R40.1 ; C34.2 v2(53.37,22.83) ; v2(113.79,36.58) R125.1 ; 96.68,49.04 C42.1 96.73,49.63 v1(96.8,49.71) ; v2(35.33,27.81) 35.16,27.64 R56.1 ; R141.1 v2(106.17,26.42) ; R131.1 v2(113.79,26.42) ; v2(38.96,82.98) 40.2,82.98 ; C139.2 v2(80.64,84.96) ; C69.1 48.72,51.26 v1(48.72,50.74)
  vias: v1(45.39,41.66) v1(45.8,29.97) v1(56.69,53.27) v1(61.34,76.45) v1(61.65,14.1) v1(62.74,74.42) v1(65.02,75.05) v1(65.23,72.39) v1(65.34,40.19) v1(65.74,71.68) v1(66.45,76.15) v1(67.74,36.99) v1(68.94,75.26) v1(68.96,70.89) v1(69.6,73.56) v1(69.95,76.48) v1(70.28,75.01) v1(70.59,69.95) v1(70.84,73.79) v1(70.94,36.17) v1(72.03,12.98) v1(73.61,12.62) v1(74.14,16.33) v1(75.41,12.26) v1(77.26,13.31) v1(77.55,77.22) v1(77.78,16.44) v1(82.45,20.84) v1(86.06,26.77) v1(86.39,25.43) v1(89.56,33.22) v1(89.84,74.83) v1(89.76,35.53) v1(92.06,75.76) v1(93.31,75.75) v1(94.76,35.61) v1(95.89,75.54) v1(96.01,35.46) v1(96.47,31.37) v1(96.76,74.69) v1(97.05,31.37) v1(97.66,32.61) v1(97.66,32) v1(97.66,31.37) v1(97.66,30.76) v1(97.66,30.18) v1(98.27,31.37) v1(98.65,43.81) v1(98.88,31.37) v1(100.89,35.73) v1(103.15,27.03) v1(103.43,75.9) v1(104.34,69.7) v1(104.65,23.16) v1(104.78,73.61) v1(105.43,68.7) v1(105.49,22.07) v1(105.51,20.7) v1(105.73,75.05) v1(105.69,71.86) v1(105.66,69.7) v1(106.58,67.07) v1(106.88,21.19) v1(107.2,75.69) v1(118.54,21.08) v1(119.13,21.72) v1(119.13,21.08) v1(119.13,20.5) v1(119.71,21.08) v2(1.91,77.47) v2(1.91,74.93) v2(1.91,72.39) v2(1.91,69.85) v2(1.91,67.31) v2(1.91,64.77) v2(1.91,62.23) v2(1.91,60.33) v2(1.91,57.15) v2(1.91,54.61) v2(1.91,52.07) v2(1.91,49.53) v2(1.91,46.99) v2(1.91,44.45) v2(1.91,41.91) v2(1.91,39.37) v2(1.91,36.83) v2(1.91,34.29) v2(1.91,31.75) v2(1.91,29.21) v2(1.91,26.67) v2(1.91,24.13) v2(1.91,21.59) v2(1.91,19.05) v2(1.91,16.51) v2(1.91,13.97) v2(1.91,11.43) v2(3.81,77.47) v2(3.81,74.93) v2(3.81,72.39) v2(3.81,69.85) v2(3.81,67.31) v2(3.81,64.77) v2(3.81,62.23) v2(3.81,60.33) v2(3.81,57.15) v2(3.81,54.61) v2(3.81,52.07) v2(3.81,49.53) v2(3.81,46.99) v2(3.81,44.45) v2(3.81,41.91) v2(3.81,39.37) v2(3.81,36.83) v2(3.81,34.29) v2(3.81,31.75) v2(3.81,29.21) v2(3.81,26.67) v2(3.81,24.13) v2(3.81,21.59) v2(3.81,19.05) v2(3.81,16.51) v2(3.81,13.97) v2(3.81,11.43) v2(5.84,64.77) v2(5.84,62.23) v2(6.98,56.52) v2(6.98,52.7) v2(6.98,41.91) v2(6.98,33.02) v2(6.98,25.4) v2(6.98,21.59) v2(7.11,60.33) v2(8.89,58.42) v2(8.89,54.61) v2(8.89,50.8) v2(8.89,40) v2(8.89,31.11) v2(8.89,23.5) v2(8.89,1.27) v2(10.16,87) v2(10.79,60.33) v2(10.79,56.52) v2(10.79,41.91) v2(10.79,33.02) v2(12.7,64.01) v2(12.7,62.23) v2(12.7,58.42) v2(12.7,40) v2(13.33,87) v2(13.33,1.27) v2(13.97,25.4) v2(13.97,21.59) v2(14.6,60.33) v2(14.6,41.91) v2(15.88,23.5) v2(15.88,1.27) v2(16.51,40) v2(17.78,25.4) v2(17.78,22.35) v2(17.78,1.27) v2(18.41,60.33) v2(18.41,41.91) v2(18.41,33.02) v2(19.43,46.74) v2(19.68,23.5) v2(20.07,47.24) v2(20.32,31.75) v2(20.32,1.27) v2(22.86,1.27) v2(24.13,23.5) v2(25.4,1.27) v2(25.91,39.88) v2(27.94,1.27) v2(28.75,77.22) v2(28.75,76.48) v2(29.21,40) v2(30.48,1.27) v2(32.38,87.63) v2(32.38,78.74) v2(33.02,1.27) v2(33.4,74.55) v2(34.29,83.82) v2(35.56,1.27) v2(36.19,87.63) v2(36.19,80.65) v2(36.19,75.56) v2(36.19,70.59) v2(36.83,51.87) v2(37.46,33.02) v2(38.1,1.27) v2(38.35,52.32) v2(40.64,3.17) v2(40.64,1.27) v2(45.72,1.27) v2(46.33,42.85) v2(48.26,1.27) v2(50.8,1.27) v2(53.34,16.51) v2(53.34,1.27) v2(55.25,16.51) v2(55.88,1.27) v2(59.69,5.08) v2(59.69,1.27) v2(60.96,6.98) v2(60.96,3.17) v2(62.23,1.27) v2(68.71,13.97) v2(69.85,58.42) v2(72.39,55.88) v2(72.39,52.7) v2(73.03,60.33) v2(76.2,87.63) v2(79.38,87.63) v2(79.38,67.31) v2(80.64,74.3) v2(83.82,74.3) v2(84.45,6.35) v2(84.45,1.27) v2(85.72,58.42) v2(86.36,3.81) v2(87.63,15.88) v2(88.9,60.33) v2(88.9,1.27) v2(90.81,19.05) v2(91.44,58.42) v2(91.44,1.27) v2(93.98,1.27) v2(96.52,10.8) v2(96.52,8.89) v2(96.52,1.27) v2(99.06,1.27) v2(101.6,1.27) v2(102.16,43.26) v2(102.87,13.33) v2(104.14,1.27) v2(106.68,1.27) v2(108.33,69.72) v2(108.33,65.41) v2(108.33,62.99) v2(109.22,1.27) v2(109.85,11.43) v2(111.76,1.27) v2(112.93,2.51) v2(117.09,55.25) v2(117.47,73.79) v2(117.47,67.94) v2(118.11,25.4) v2(118.75,76.58) v2(118.75,1.27) v2(119.38,69.85) v2(119.38,66.04) v2(120.07,51.84) v2(121.28,27.31) v2(121.28,1.27) v2(126.36,87.63) v2(128.27,1.27) v2(130.17,75.56) v2(130.17,67.94) v2(132.08,77.47) v2(132.08,73.66) v2(132.08,69.85) v2(132.08,66.04) v2(132.08,11.43) v2(135.89,77.47) v2(135.89,74.93) v2(135.89,72.39) v2(135.89,69.85) v2(135.89,67.31) v2(135.89,64.77) v2(135.89,62.23) v2(135.89,59.69) v2(135.89,57.15) v2(135.89,54.61) v2(135.89,52.07) v2(135.89,49.53) v2(135.89,46.99) v2(135.89,44.45) v2(135.89,41.91) v2(135.89,39.37) v2(135.89,36.83) v2(135.89,34.29) v2(135.89,31.75) v2(135.89,29.21) v2(135.89,26.67) v2(135.89,24.13) v2(135.89,21.59) v2(135.89,19.05) v2(135.89,16.51) v2(135.89,13.97) v2(135.89,11.43) v2(137.79,77.47) v2(137.79,74.93) v2(137.79,72.39) v2(137.79,69.85) v2(137.79,67.31) v2(137.79,64.77) v2(137.79,62.23) v2(137.79,59.69) v2(137.79,57.15) v2(137.79,54.61) v2(137.79,52.07) v2(137.79,49.53) v2(137.79,46.99) v2(137.79,44.45) v2(137.79,41.91) v2(137.79,39.37) v2(137.79,36.83) v2(137.79,34.29) v2(137.79,31.75) v2(137.79,29.21) v2(137.79,26.67) v2(137.79,24.13) v2(137.79,21.59) v2(137.79,19.05) v2(137.79,16.51) v2(137.79,13.97) v2(137.79,11.43)
